# Altium PCB BLDC_DRIVER.PcbDoc (part 1 of 3) (continued)
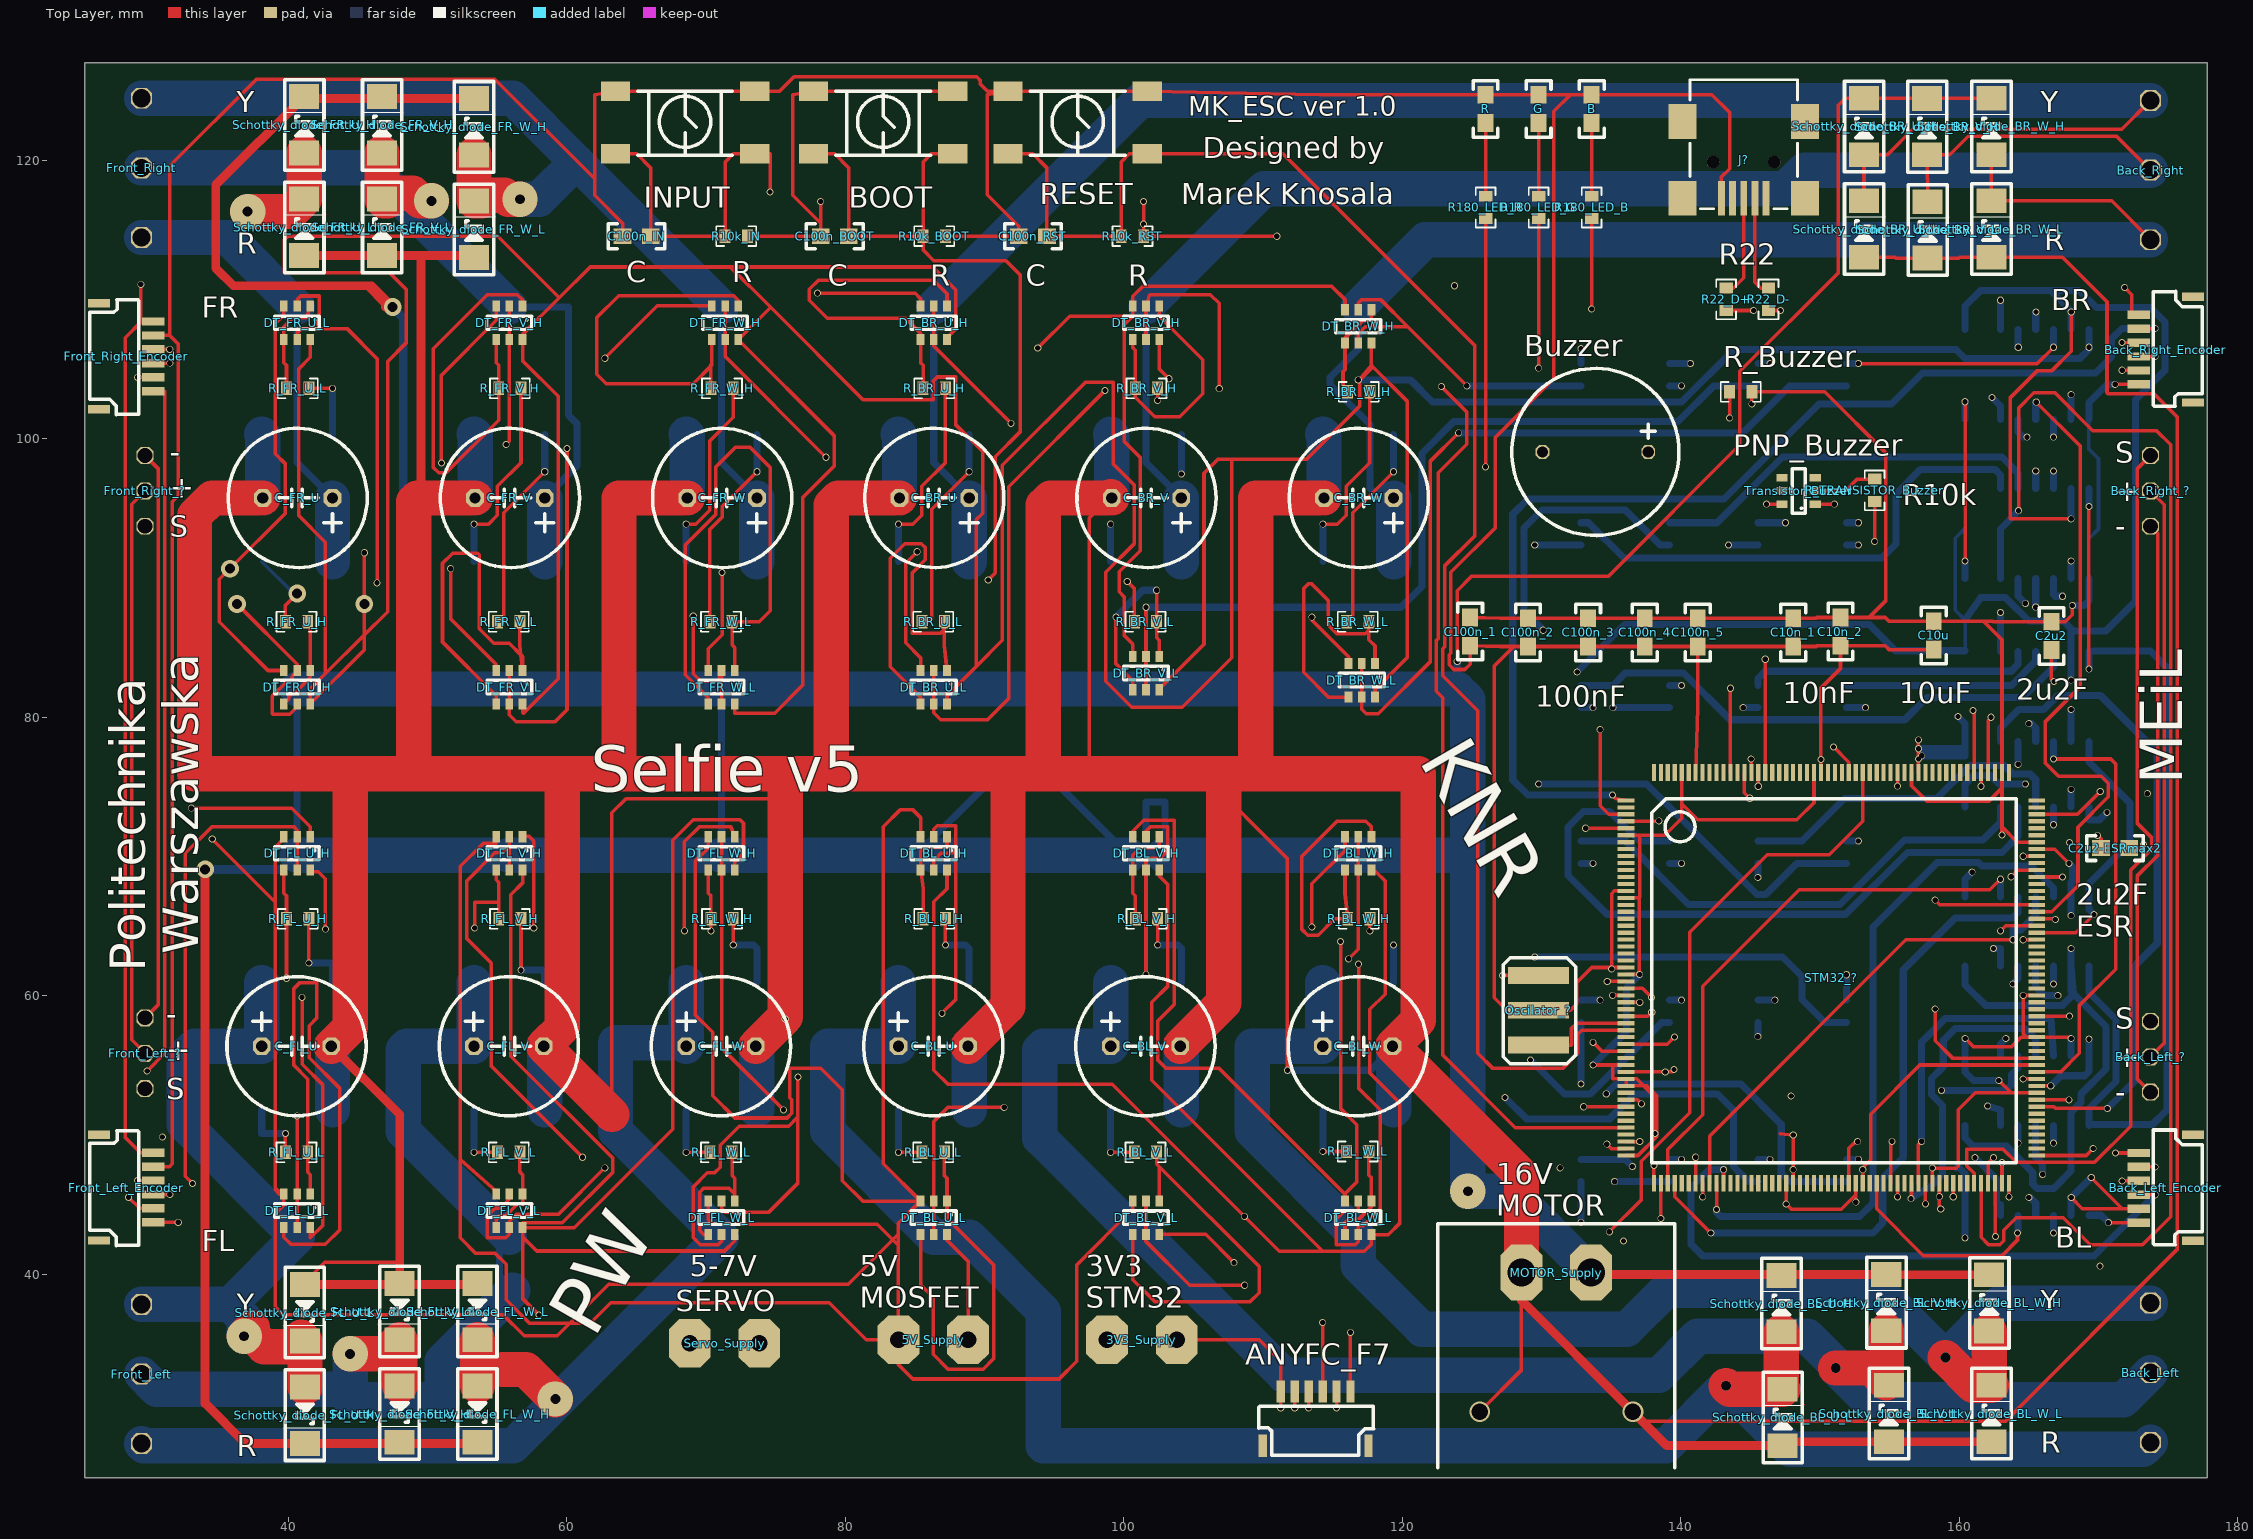
[diagram p0: Top Layer view]
## Components (designator, comment, footprint, x,y, rotation, side; value= is the part's Value field where it differs from the comment) (continued)
R_DT_BL_V_L "Res" R0603 145.542,71.12 r270 bottom
R_DT_BL_W_H "Res" R0603 132.842,71.12 r270 bottom
R_DT_BL_W_L "Res" R0603 151.892,71.12 r270 bottom
R_DT_BR_U_H "Res" R0603 145.542,93.98 r270 bottom
R_DT_BR_U_L "Res" R0603 139.192,105.41 r270 bottom
R_DT_BR_V_H "Res" R0603 151.892,93.98 r270 bottom
R_DT_BR_V_L "Res" R0603 145.542,105.41 r270 bottom
R_DT_BR_W_H "Res" R0603 132.842,105.41 r270 bottom
R_DT_BR_W_L "Res" R0603 151.892,105.41 r270 bottom
R_DT_FL_U_H "Res" R0603 132.842,48.26 r270 bottom
R_DT_FL_U_L "Res" R0603 151.892,48.26 r270 bottom
R_DT_FL_V_H "Res" R0603 139.192,48.26 r270 bottom
R_DT_FL_V_L "Res" R0603 132.842,59.69 r270 bottom
R_DT_FL_W_H "Res" R0603 145.542,48.26 r270 bottom
R_DT_FL_W_L "Res" R0603 139.192,59.69 r270 bottom
R_DT_FR_U_H "Res" R0603 139.192,82.296 r270 bottom
R_DT_FR_U_L "Res" R0603 132.842,82.296 r270 bottom
R_DT_FR_V_H "Res" R0603 145.542,82.296 r270 bottom
R_DT_FR_V_L "Res" R0603 132.842,93.98 r270 bottom
R_DT_FR_W_H "Res" R0603 151.892,82.296 r270 bottom
R_DT_FR_W_L "Res" R0603 139.192,93.98 r270 bottom
R_FL_U_H "Res" R0603 39.878,65.532 r0 top
R_FL_U_L "Res" R0603 41.402,48.768 r180 top
R_FL_V_H "Res" R0603 55.118,65.532 r0 top
R_FL_V_L "Res" R0603 56.642,48.768 r180 top
R_FL_W_H "Res" R0603 70.358,65.532 r0 top
R_FL_W_L "Res" R0603 71.882,48.768 r180 top
R_FR_U_H "Res" R0603 41.402,86.868 r180 top
R_FR_U_L "Res" R0603 39.878,103.632 r0 top
R_FR_V_H "Res" R0603 55.118,103.632 r0 top
R_FR_V_L "Res" R0603 56.642,86.868 r180 top
R_FR_W_H "Res" R0603 70.358,103.632 r0 top
R_FR_W_L "Res" R0603 71.882,86.868 r180 top
R_TRANSISTOR_Buzzer "Res" R0603 153.924,95.504 r90 top
RESET "Tact_Switch" "LSH Gullwing" 91.694,124.968 r180 top
Schottky_diode_BL_U_H "Schottky_diode" DO-214AC 147.228,39.927 r90 top
Schottky_diode_BL_U_L "Schottky_diode" DO-214AC 147.32,31.75 r90 top
Schottky_diode_BL_V_H "Schottky_diode" DO-214AC 154.76,39.996 r90 top
Schottky_diode_BL_V_L "Schottky_diode" DO-214AC 154.945,32.033 r90 top
Schottky_diode_BL_W_H "Schottky_diode" DO-214AC 162.151,39.976 r90 top
Schottky_diode_BL_W_L "Schottky_diode" DO-214AC 162.311,32.033 r90 top
Schottky_diode_BR_U_H "Schottky_diode" DO-214AC 153.162,124.46 r90 top
Schottky_diode_BR_U_L "Schottky_diode" DO-214AC 153.162,117.094 r90 top
Schottky_diode_BR_V_H "Schottky_diode" DO-214AC 157.688,124.447 r90 top
Schottky_diode_BR_V_L "Schottky_diode" DO-214AC 157.734,117.035 r90 top
Schottky_diode_BR_W_H "Schottky_diode" DO-214AC 162.306,124.46 r90 top
Schottky_diode_BR_W_L "Schottky_diode" DO-214AC 162.306,117.094 r90 top
Schottky_diode_FL_U_H "Schottky_diode" DO-214AC 41.202,27.853 r270 top
Schottky_diode_FL_U_L "Schottky_diode" DO-214AC 41.202,35.219 r270 top
Schottky_diode_FL_V_H "Schottky_diode" DO-214AC 48.006,27.94 r270 top
Schottky_diode_FL_V_L "Schottky_diode" DO-214AC 48.006,35.306 r270 top
Schottky_diode_FL_W_H "Schottky_diode" DO-214AC 53.594,27.94 r270 top
Schottky_diode_FL_W_L "Schottky_diode" DO-214AC 53.594,35.306 r270 top
Schottky_diode_FR_U_H "Schottky_diode" DO-214AC 41.148,124.587 r90 top
Schottky_diode_FR_U_L "Schottky_diode" DO-214AC 41.148,117.221 r90 top
Schottky_diode_FR_V_H "Schottky_diode" DO-214AC 46.736,124.587 r90 top
Schottky_diode_FR_V_L "Schottky_diode" DO-214AC 46.736,117.221 r90 top
Schottky_diode_FR_W_H "Schottky_diode" DO-214AC 53.34,124.446 r90 top
Schottky_diode_FR_W_L "Schottky_diode" DO-214AC 53.34,117.08 r90 top
Servo_Supply "2-pin" 2-pin-zielony-kat 68.834,35.052 r0 top
STM32_? "STM32F769BGT6-SELFIE" LQFP208 137.922,75.438 r0 top
TO1 "HCPL-090J" SOIC-16 169.418,44.704 r180 bottom
TO2 "HCPL-090J" SOIC-16 169.418,56.134 r180 bottom
TO3 "HCPL-090J" SOIC-16 169.418,67.564 r180 bottom
TO4 "HCPL-090J" SOIC-16 169.418,78.74 r180 bottom
TO5 "HCPL-090J" SOIC-16 169.418,90.424 r180 bottom
TO6 "HCPL-090J" SOIC-16 169.418,101.854 r180 bottom
Transistor_Buzzer "PBSS4160DPN.115" SOT457 146.812,96.266 r90 top

## Footprints (in the part's own frame and the unit in brackets; to place one, negate y for a bottom-side part, rotate by r counter-clockwise, add the part's x,y. Pads: shape width x height; smd on the part's side, far side on the other; paste and mask are expansions set on the pad)
2-pin-zielony-kat [mm]
  oct 3x3.5 hole 1.2: 1(0,0) 2(5,0)
  body extent -3.5,-10.1 8.5,1.9, height 8.75
5mm [mil]
  oct 50x50 hole 32: 1(0,0) 2(196.85,0)
  silkscreen extent -98,-197 295,197, body extent -98,-197 295,197, height 787
0603 [mil]
  rect 50x45 smd: 1(0,0) 2(80,0)
  silkscreen extent -40,-35 120,35, body extent 9,-17 72,17, height 33
65100516121 [mm] "Mini USB 2.0 Type B SMT Horizontal 5 Contacts"
  rect 0.5x2.5 smd: 1(-1.6,3.875) 2(-0.8,3.875) 3(0,3.875) 4(0.8,3.875) 5(1.6,3.875)
  round 0.9 hole 0.9 unplated: MH1(-2.2,1.275) MH2(2.2,1.275)
  rect 2x2.5 smd: Shell(-4.4,3.875) Shell(-4.4,-1.625) Shell(4.4,3.875) Shell(4.4,-1.625)
  silkscreen extent -3.85,-4.62 3.85,4.62, body extent -4.8,-4.62 4.8,4.63, height 3.92
Buzzer_LOUDITY [mm]
  oct 1x1 hole 0.8: 1(-7.6,0) 2(0,0)
  silkscreen extent -9.8,-6 2.2,6, body extent -9.8,-6 5.65,6, height 9.65
CSTCC8M00G53-R0 [mm]
  rect 1.2x4.4 smd: 1(0,0) 2(2.5,0) 3(5,0)
  silkscreen extent -1.27,-2.54 6.35,2.67, body extent -1.06,-1.52 6.14,1.48, height 1.25
DG300-5.0-03P-12-00A [mm]
  oct 1.5x1.5 hole 1.3: 1(0,0) 2(5,0) 3(10,0)
  body extent -2.5,-4 12.5,5, height 12.6
DO-214AC [mm]
  rect 1.78x2.16 smd: 1(-4.05,0) 2(0,0)
  Top Layer lines w0.051: -1.143,-1.524 -1.092,-1.575
  silkscreen extent -5.28,-1.52 1.22,1.4, body extent -4.55,-1.43 0.45,1.27, height 2.33
"JST SR SH 1.0" [mm]
  rect 0.6x1.6 smd: 1(1.3,3.9) 2(2.3,3.9) 3(3.3,3.9) 4(4.3,3.9) 5(5.3,3.9) 6(6.3,3.9) 7(7.6,0) 8(0,0)
  silkscreen extent -0.28,-0.66 7.98,2.84, body extent -0.16,-0.66 7.84,4.29, height 2.9
LQFP208 [mm]
  rect 1.2x0.3 smd: 1(-1.85,-1.4) 2(-1.85,-1.9) 3(-1.85,-2.4) 4(-1.85,-2.9) 5(-1.85,-3.4) 6(-1.85,-3.9) 7(-1.85,-4.4) 8(-1.85,-4.9) 9(-1.85,-5.4) 10(-1.85,-5.9) 11(-1.85,-6.4) 12(-1.85,-6.9) 13(-1.85,-7.4) 14(-1.85,-7.9) 15(-1.85,-8.4) 16(-1.85,-8.9) 17(-1.85,-9.4) 18(-1.85,-9.9) 19(-1.85,-10.4) 20(-1.85,-10.9) 21(-1.85,-11.4) 22(-1.85,-11.9) 23(-1.85,-12.4) 24(-1.85,-12.9) 25(-1.85,-13.4) 26(-1.85,-13.9) 27(-1.85,-14.4) 28(-1.85,-14.9) 29(-1.85,-15.4) 30(-1.85,-15.9) 31(-1.85,-16.4) 32(-1.85,-16.9) 33(-1.85,-17.4) 34(-1.85,-17.9) 35(-1.85,-18.4) 36(-1.85,-18.9) 37(-1.85,-19.4) 38(-1.85,-19.9) 39(-1.85,-20.4) 40(-1.85,-20.9) 41(-1.85,-21.4) 42(-1.85,-21.9) 43(-1.85,-22.4) 44(-1.85,-22.9) 45(-1.85,-23.4) 46(-1.85,-23.9) 47(-1.85,-24.4) 48(-1.85,-24.9) 49(-1.85,-25.4) 50(-1.85,-25.9) 51(-1.85,-26.4) 52(-1.85,-26.9) 105(27.65,-26.9) 106(27.65,-26.4) 107(27.65,-25.9) 108(27.65,-25.4) 109(27.65,-24.9) 110(27.65,-24.4) 111(27.65,-23.9) 112(27.65,-23.4) 113(27.65,-22.9) 114(27.65,-22.4) 115(27.65,-21.9) 116(27.65,-21.4) 117(27.65,-20.9) 118(27.65,-20.4) 119(27.65,-19.9) 120(27.65,-19.4) 121(27.65,-18.9) 122(27.65,-18.4) 123(27.65,-17.9) 124(27.65,-17.4) 125(27.65,-16.9) 126(27.65,-16.4) 127(27.65,-15.9) 128(27.65,-15.4) 129(27.65,-14.9) 130(27.65,-14.4) 131(27.65,-13.9) 132(27.65,-13.4) 133(27.65,-12.9) 134(27.65,-12.4) 135(27.65,-11.9) 136(27.65,-11.4) 137(27.65,-10.9) 138(27.65,-10.4) 139(27.65,-9.9) 140(27.65,-9.4) 141(27.65,-8.9) 142(27.65,-8.4) 143(27.65,-7.9) 144(27.65,-7.4) 145(27.65,-6.9) 146(27.65,-6.4) 147(27.65,-5.9) 148(27.65,-5.4) 149(27.65,-4.9) 150(27.65,-4.4) 151(27.65,-3.9) 152(27.65,-3.4) 153(27.65,-2.9) 154(27.65,-2.4) 155(27.65,-1.9) 156(27.65,-1.4)
  rect 0.3x1.2 smd: 53(0.15,-28.9) 54(0.65,-28.9) 55(1.15,-28.9) 56(1.65,-28.9) 57(2.15,-28.9) 58(2.65,-28.9) 59(3.15,-28.9) 60(3.65,-28.9) 61(4.15,-28.9) 62(4.65,-28.9) 63(5.15,-28.9) 64(5.65,-28.9) 65(6.15,-28.9) 66(6.65,-28.9) 67(7.15,-28.9) 68(7.65,-28.9) 69(8.15,-28.9) 70(8.65,-28.9) 71(9.15,-28.9) 72(9.65,-28.9) 73(10.15,-28.9) 74(10.65,-28.9) 75(11.15,-28.9) 76(11.65,-28.9) 77(12.15,-28.9) 78(12.65,-28.9) 79(13.15,-28.9) 80(13.65,-28.9) 81(14.15,-28.9) 82(14.65,-28.9) 83(15.15,-28.9) 84(15.65,-28.9) 85(16.15,-28.9) 86(16.65,-28.9) 87(17.15,-28.9) 88(17.65,-28.9) 89(18.15,-28.9) 90(18.65,-28.9) 91(19.15,-28.9) 92(19.65,-28.9) 93(20.15,-28.9) 94(20.65,-28.9) 95(21.15,-28.9) 96(21.65,-28.9) 97(22.15,-28.9) 98(22.65,-28.9) 99(23.15,-28.9) 100(23.65,-28.9) 101(24.15,-28.9) 102(24.65,-28.9) 103(25.15,-28.9) 104(25.65,-28.9) 157(25.65,0.6) 158(25.15,0.6) 159(24.65,0.6) 160(24.15,0.6) 161(23.65,0.6) 162(23.15,0.6) 163(22.65,0.6) 164(22.15,0.6) 165(21.65,0.6) 166(21.15,0.6) 167(20.65,0.6) 168(20.15,0.6) 169(19.65,0.6) 170(19.15,0.6) 171(18.65,0.6) 172(18.15,0.6) 173(17.65,0.6) 174(17.15,0.6) 175(16.65,0.6) 176(16.15,0.6) 177(15.65,0.6) 178(15.15,0.6) 179(14.65,0.6) 180(14.15,0.6) 181(13.65,0.6) 182(13.15,0.6) 183(12.65,0.6) 184(12.15,0.6) 185(11.65,0.6) 186(11.15,0.6) 187(10.65,0.6) 188(10.15,0.6) 189(9.65,0.6) 190(9.15,0.6) 191(8.65,0.6) 192(8.15,0.6) 193(7.65,0.6) 194(7.15,0.6) 195(6.65,0.6) 196(6.15,0.6) 197(5.65,0.6) 198(5.15,0.6) 199(4.65,0.6) 200(4.15,0.6) 201(3.65,0.6) 202(3.15,0.6) 203(2.65,0.6) 204(2.15,0.6) 205(1.65,0.6) 206(1.15,0.6) 207(0.65,0.6) 208(0.15,0.6)
  silkscreen extent 0,-27.43 26.16,-1.27, body extent -1.84,-28.92 27.66,0.58, height 1.39
"LSH Gullwing" [mm]
  rect 2.1x1.4 smd: 1(-10,4.5) 2(0,4.5) 3(-10,0) 4(0,0)
  silkscreen extent -8.4,0 -1.6,4.6, body extent -10,-0.75 0,5.25, height 4.97
R0603 [mil]
  rect 31x38 smd: 1(0,0) 2(63,0)
  silkscreen extent -25,-28 88,28, body extent -1,-17 62,17, height 19
Raster_2.54_corner_3pin [mm]
  oct 1.22x1.22 hole 1.05: 1(0,0) 2(2.54,0) 3(5.08,0)
  body extent -1.27,-10.84 6.35,0.27, height 3.79
SOIC-16 [mm]
  rect 0.72x1.78 smd: 1(0.11,-0.46) 2(1.38,-0.46) 3(2.65,-0.46) 4(3.92,-0.46) 5(5.19,-0.46) 6(6.46,-0.46) 7(7.73,-0.46) 8(9,-0.46) 9(9,6) 10(7.73,6) 11(6.46,6) 12(5.19,6) 13(3.92,6) 14(2.65,6) 15(1.38,6) 16(0.11,6)
  silkscreen extent -0.53,0.79 9.63,4.73, body extent -0.5,-0.3 9.7,5.7, height 1.7
SOT457 [mm]
  rect 0.55x0.8 smd: 1(-0.95,-2.85) 2(0,-2.85) 3(0.95,-2.85) 4(0.95,-0.45) 5(0,-0.45) 6(-0.95,-0.45)
  silkscreen extent -1.6,-2.13 1.6,-1.18, body extent -1.45,-3.05 1.45,-0.25, height 1.23
TO-263 [mm]
  rect 10.8x9.4 smd: D(-2.54,9.15)
  rect 1.35x4.6 smd: G(-5.08,0) S(0,0)
  silkscreen extent -8.89,-3.05 3.81,14.48, body extent -7.54,-1.94 2.46,13.73, height 4.83
XT30-katowy-in [mm]
  oct 3x4 hole 2: 1(2.5,0) 2(-2.5,0)
  silkscreen extent -8.5,-3.5 8.5,14, body extent -6.65,-0.91 6.65,14.1, height 5.2

## Part data
J?: "Mini USB 2.0 Type B Receptacle WR-COM, Horizontal, SMT, with Pads and Pegs"

## Via types
v1: diameter 0.508, hole 0.381, Top Layer to Bottom Layer, 316 vias
v2: diameter 2.54, hole 0.711, Top Layer to Bottom Layer, 7 vias
v3: diameter 1.27, hole 0.711, Top Layer to Bottom Layer, 6 vias
v4: diameter 0.711, hole 0.711, Top Layer to Bottom Layer, 3 vias
v5: diameter 1.5, hole 1.2, Top Layer to Bottom Layer, 2 vias

## Nets (pads, with @x,y where several pads share a name; then routed paths per layer and width w, separated by ;. In a path a pad name is that pad's centre, name@x,y a point inside that pad or via, vN(x,y) a via of type N, cw(c..) or ccw(c..) an arc to the next point about the centre after c; other vN are vias at no path point)
3V3: 3V3_Supply.2 ANYFC_F7.1 Back_Left_Encoder.1 Back_Right_Encoder.1 BOOT.3 BOOT.4 C2u2.2 C10n_1.2 C10n_2.2 C10u.2 C100n_1.2 C100n_2.2 C100n_3.2 C100n_4.2 C100n_5.2 C100n_BOOT.2 Front_Left_Encoder.1 Front_Right_Encoder.1 R10k_IN.2 R10k_RST.2 R_Buzzer.2 STM32_?.6 STM32_?.15 STM32_?.26 STM32_?.39 STM32_?.41 STM32_?.42 STM32_?.52 STM32_?.59 STM32_?.73 STM32_?.83 STM32_?.94 STM32_?.103 STM32_?.115 STM32_?.118 STM32_?.137 STM32_?.150 STM32_?.158 STM32_?.171 STM32_?.185 STM32_?.204 TO1.1 TO2.1 TO3.1 TO4.1 TO5.1 TO6.1 | length 620.3
  Top Layer w0.254: v1(29.418,111.1) 29.418,108.428 29.464,108.428 ; Front_Left_Encoder.1@30.316,48.738 29.388,48.738 28.296,49.83 28.296,107.26 29.464,108.428 ; Front_Right_Encoder.1@30.316,108.428 29.464,108.428 ; R10k_IN.2@72.974,114.554 C100n_BOOT.2@78.232,114.554 78.232,115.494 ; v1(78.232,117.043) 78.232,115.494 ; BOOT.3@87.724,124.968 BOOT.4@77.724,124.968 76.225,124.714 76.225,117.5 78.232,115.494 ; v1(101.422,117.043) v1(101.422,115.418) R10k_RST.2@101.422,114.554 v1(110.998,114.554) ; 3V3_Supply.2@103.806,35.306 109.728,35.306 111.282,33.752 ANYFC_F7.1@111.282,31.586 111.282,30.408 v1(111.277,30.404) ; C100n_1.2@124.875,87.174 127.027,87.122 C100n_2.2@129.032,87.122 C100n_3.2@133.35,87.122 C100n_4.2@137.414,87.122 C100n_5.2@141.224,87.122 C10n_1.2@148.082,87.122 149.733,87.122 149.785,87.174 C10n_2.2@151.473,87.174 153.519,87.174 ; v1(133.709,55.042) 133.713,55.038 135.128,55.038 ; STM32_?.52@136.072,48.538 136.93,48.538 138.278,49.886 138.278,52.832 137.572,53.538 137.33,53.538 ; STM32_?.39@136.072,55.038 135.128,55.038 ; STM32_?.26@136.072,61.538 v1@137.008,61.538 ; STM32_?.15@136.072,67.038 137.008,67.038 ; STM32_?.6@136.072,71.538 137.045,71.538 ; v1(137.053,61.538) v1@137.008,61.538 ; v1(138.151,50.114) 138.151,52.717 137.33,53.538 ; STM32_?.204@140.072,76.038 140.072,73.796 ; STM32_?.59@141.072,46.538 v1(141.072,48.413) ; v1(145.11,102.514) R_Buzzer.2@145.11,103.378 150.343,103.378 154.737,98.984 154.737,88.392 153.519,87.174 ; 147.162,50.114 v1@148.072,50.003 ; STM32_?.73@148.072,46.538 v1(148.072,47.519) v1@148.072,50.003 ; v1(148.082,50.013) v1@148.072,50.003 ; STM32_?.185@149.572,76.038 149.572,73.88 148.336,72.644 141.224,72.644 140.072,73.796 ; STM32_?.83@153.072,46.538 v1(153.072,47.519) 153.072,47.65 153.645,48.223 153.645,51.511 157.171,55.038 STM32_?.118@165.572,55.038 ; STM32_?.171@156.572,76.038 156.572,75.097 157.705,73.965 162.103,73.965 163.072,74.934 ; STM32_?.94@158.572,46.538 v1(158.572,45.58) 158.572,44.791 v1(158.674,44.689) ; STM32_?.103@163.072,46.538 v1(163.072,48.027) ; v1(163.072,71.552) 163.072,72.136 ; STM32_?.115@165.572,53.538 v1(166.573,53.538) ; STM32_?.137@165.572,64.538 168.373,64.538 v1(169.672,65.837) ; STM32_?.150@165.572,71.038 164.17,71.038 163.072,72.136 ; v1(168.123,88.036) 168.123,87.376 167.615,86.868 C2u2.2@166.624,86.868 162.444,86.868 162.408,86.904 161.743,86.904 ; v1(170.709,43.718) Back_Left_Encoder.1@172.884,43.718 ; v1(171.196,103.916) Back_Right_Encoder.1@172.884,103.916 ; 135.128,55.038 135.128,54.038 STM32_?.41@136.072,54.038 ; STM32_?.41@136.072,54.038 136.83,54.038 137.33,53.538 ; STM32_?.41@136.072,54.038 STM32_?.42@136.072,53.538 137.33,53.538 ; v1@137.008,61.538 137.008,67.038 ; 137.008,67.038 137.045,67.075 137.045,71.538 ; 137.045,71.538 138.86,71.538 140.072,72.75 140.072,73.796 ; 153.519,87.174 154.686,87.174 154.956,86.904 C10u.2@158.171,86.904 161.743,86.904 ; 161.743,86.904 163.072,85.575 STM32_?.158@163.072,76.038 163.072,74.934 ; 163.072,72.136 163.072,74.934
  Signal Layer 1 w0.305: v1(29.418,111.1) 97.104,111.1 v1(101.422,115.418) ; v1(78.232,117.043) v1(101.422,117.043) ; v1(110.998,114.554) 121.133,104.419 140.386,104.419 142.291,102.514 v1(145.11,102.514) ; v1(138.151,50.114) 147.162,50.114 ; v1(141.072,48.413) 145.461,48.413 147.162,50.114 ; v1(148.072,47.519) v1(153.072,47.519) 154.368,48.815 158.145,48.815 158.699,48.26 158.699,45.707 v1(158.572,45.58) ; v1(148.082,50.013) 147.98,50.114 147.162,50.114 ; v1(158.674,44.689) 159.735,44.689 v1(163.072,48.027) 166.4,48.027 v1(170.709,43.718)
  Signal Layer 2 w0.254: 168.148,62.179 169.316,63.348 169.672,63.703 v1(169.672,65.837)
  Signal Layer 2 w0.305: v1(111.277,30.404) 113.538,28.143 128.696,28.143 v1(148.072,47.519) ; v1(163.072,71.552) 164.592,71.552 165.202,70.942 165.202,63.602 166.624,62.179 168.148,62.179 ; v1(169.672,65.837) 169.316,65.481 169.316,63.348 v1(169.316,56.896) 171.831,54.381 171.831,47.879 170.709,46.757 v1(170.709,43.718)
  Bottom Layer w0.254: TO5.1@169.308,89.964 169.308,92.837 170.002,93.531 170.002,98.577 169.308,99.272 TO6.1@169.308,101.394
  Bottom Layer w0.508: v1(133.709,55.042) 136.093,57.426 136.093,60.578 v1(137.053,61.538) ; v1(166.573,53.538) 167.3,54.265 168.999,54.265 169.308,54.574 TO2.1@169.308,55.674 169.308,56.888 v1(169.316,56.896) ; v1(168.123,88.036) 168.952,88.036 169.308,88.392 TO5.1@169.308,89.964 ; TO1.1@169.308,44.244 169.308,44.247 170.18,44.247 v1(170.709,43.718) ; TO4.1@169.308,78.28 169.308,76.793 172.263,73.838 172.263,71.027 169.308,68.072 TO3.1@169.308,67.104 169.308,66.201 v1(169.672,65.837) ; TO6.1@169.308,101.394 169.308,102.616 170.608,103.916 v1(171.196,103.916)
GND_3V3: 3V3_Supply.1 ANYFC_F7.2 B.2 Back_Left_Encoder.2 Back_Right_Encoder.2 C2u2.1 C10n_1.1 C10n_2.1 C10u.1 C100n_1.1 C100n_2.1 C100n_3.1 C100n_4.1 C100n_5.1 C100n_IN.2 C100n_RST.2 Front_Left_Encoder.2 Front_Right_Encoder.2 G.2 INPUT.3 INPUT.4 J?.5 Oscilator_?.2 R10k_BOOT.2 R.2 RESET.3 RESET.4 STM32_?.14 STM32_?.25 STM32_?.40 STM32_?.51 STM32_?.60 STM32_?.72 STM32_?.82 STM32_?.93 STM32_?.114 STM32_?.122 STM32_?.128 STM32_?.136 STM32_?.149 STM32_?.170 STM32_?.184 STM32_?.202 TO1.2 TO1.8 TO2.2 TO2.8 TO3.2 TO3.8 TO4.2 TO4.8 TO5.2 TO5.8 TO6.2 TO6.8 Transistor_Buzzer.1 | length 729.9
  Top Layer w0.254: Front_Left_Encoder.2@30.316,47.738 31.471,47.738 31.674,47.941 31.674,95.479 32.106,95.91 32.106,106.818 31.496,107.428 ; Front_Right_Encoder.2@30.316,107.428 31.496,107.428 ; C100n_IN.2@64.008,114.554 64.008,115.494 62.001,117.5 62.001,118.669 ; R10k_BOOT.2@87.198,114.554 C100n_RST.2@92.456,114.554 92.456,115.265 90.195,117.526 90.195,124.714 RESET.4@91.694,124.968 ; v1(112.282,30.405) ANYFC_F7.2@112.282,31.586 ; v1(134.697,49.352) 135.011,49.038 STM32_?.51@136.072,49.038 ; STM32_?.40@136.072,54.538 v1(138.887,54.538) 139.349,54.538 v1(139.522,54.712) ; STM32_?.25@136.072,62.038 v1@135.139,62.038 ; STM32_?.14@136.072,67.538 135.23,67.538 135.039,67.347 v1@135.039,62.038 ; STM32_?.202@141.072,76.038 141.224,80.721 C100n_5.1@141.224,85.09 ; v1(141.572,45.568) STM32_?.60@141.572,46.538 ; J?.5@142.926,117.283 142.926,118.82 143.51,119.405 143.51,123.444 142.24,124.714 B.2@133.604,124.714 132.08,124.714 ; STM32_?.72@147.572,46.538 v1(147.572,45.06) 147.953,44.679 151.531,44.679 152.572,45.72 ; Transistor_Buzzer.1@149.662,95.316 v1(151.028,95.316) ; STM32_?.184@150.072,76.038 v1(150.072,76.971) 150.072,82.114 151.473,83.515 C10n_2.1@151.473,85.142 ; STM32_?.82@152.572,46.538 152.572,45.72 ; v1(152.578,45.187) 152.572,45.192 152.572,45.72 ; STM32_?.170@157.072,76.038 v1@157.072,77.011 ; v1(157.074,78.384) 157.072,78.383 157.072,77.749 157.072,77.241 157.072,77.013 v1@157.072,77.011 ; v1(157.302,77.241) v1(157.074,77.013) v1@157.072,77.011 ; STM32_?.93@158.072,46.538 v1(158.072,47.634) 159.792,47.634 ; C10u.1@158.171,84.872 154.956,84.872 154.686,85.142 C10n_2.1@151.473,85.142 ; 159.918,47.76 159.918,51.816 161.14,53.038 163.728,53.038 ; v1(160.418,91.235) v1(160.418,102.665) ; v1(160.426,56.947) 161.011,56.363 163.764,56.363 164.44,57.038 164.846,57.038 ; v1(162.842,53.924) 163.728,53.038 ; v1(164.591,64.038) v1@164.597,64.038 ; v1(164.592,60.038) 164.846,60.038 ; v1(164.592,64.033) v1@164.597,64.038 ; STM32_?.114@165.572,53.038 163.728,53.038 ; STM32_?.128@165.572,60.038 164.846,60.038 ; STM32_?.136@165.572,64.038 v1@164.597,64.038 ; STM32_?.149@165.572,70.538 166.859,70.538 v1(167.877,69.52) ; C2u2.1@166.624,84.836 166.624,82.753 v1(166.802,82.575) ; v1(168.038,56.947) 167.947,57.038 STM32_?.122@165.572,57.038 164.846,57.038 ; v1(168.046,45.517) 168.845,44.718 171.715,44.718 ; v1(169.481,46.952) 171.715,44.718 ; v1(171.704,104.927) 171.715,104.916 Back_Right_Encoder.2@172.884,104.916 ; Back_Left_Encoder.2@172.884,44.718 171.715,44.718 ; 31.496,107.428 31.496,119.609 37.719,125.832 54.839,125.832 62.001,118.669 ; 62.001,118.669 62.001,124.714 INPUT.4@63.5,124.968 INPUT.3@73.5,124.968 75.286,124.968 76.327,126.009 89.433,126.009 89.713,125.73 89.713,125.476 90.221,124.968 RESET.4@91.694,124.968 ; RESET.4@91.694,124.968 RESET.3@101.694,124.968 114.097,124.714 R.2@125.984,124.714 G.2@129.794,124.714 132.08,124.714 ; 128.016,85.09 127.027,85.09 C100n_1.1@124.875,85.142 124.875,83.82 124.494,83.439 123.698,83.439 123.368,83.769 123.368,84.48 123.495,84.607 123.495,90.411 126.695,93.612 126.695,100.127 130.886,104.318 130.886,123.52 132.08,124.714 ; 128.016,85.09 126.619,83.693 126.619,59.857 127.508,58.968 Oscilator_?.2@129.794,58.968 132.08,58.968 132.537,59.425 132.537,60.96 133.615,62.038 v1@135.039,62.038 ; 128.016,85.09 C100n_2.1@129.032,85.09 C100n_3.1@133.35,85.09 C100n_4.1@137.414,85.09 C100n_5.1@141.224,85.09 ; v1@135.039,62.038 v1@135.139,62.038 ; v1@135.039,62.038 v1(135.039,61.938) v1@135.139,62.038 ; C100n_5.1@141.224,85.09 C10n_1.1@148.082,85.09 149.733,85.09 149.785,85.142 C10n_2.1@151.473,85.142 ; 164.846,57.038 164.592,57.292 164.592,59.784 164.846,60.038
  Signal Layer 1 w0.305: 3V3_Supply.1@98.806,35.306 98.806,33.528 99.314,33.02 ; v1(112.282,30.405) 110.175,32.512 99.822,32.512 99.314,33.02 ; v1(134.697,49.352) 135.129,48.92 138.219,48.92 v1(141.572,45.568) 147.064,45.568 v1(147.572,45.06) ; v1(139.522,54.712) 140.335,55.524 159.004,55.524 v1(160.426,56.947) ; v1(150.072,76.971) 157.032,76.971 v1(157.074,77.013) ; v1(152.578,45.187) 155.025,47.634 v1(158.072,47.634) ; v1(157.074,78.384) 161.265,82.575 v1(166.802,82.575) ; v1(159.918,80.061) 160.579,79.4 163.728,79.4 164.897,80.569 v1(168.038,80.569) ; v1(160.926,68.883) 165.141,64.668 166.954,64.668 v1@168.038,65.752 ; v1(164.591,64.038) 166.933,64.038 168.038,65.143 v1@168.038,65.752 ; v1(168.038,65.761) v1@168.038,65.752 ; v1(168.038,103.173) 169.792,104.927 v1(171.704,104.927) ; v1(168.046,45.517) 166.954,44.425 164.668,44.425 163.576,43.332 161.129,43.332 v1(160.418,42.621) 148.768,42.621 147.803,43.586 141.834,43.586 140.792,44.628 138.176,44.628 137.287,43.739 137.287,34.163 136.144,33.02 99.314,33.02
  Signal Layer 2 w0.305: v1(135.039,61.938) 136.068,60.909 138.176,60.909 139.141,59.944 139.141,57.887 138.887,57.633 v1(138.887,54.538) ; v1(151.028,95.316) 151.028,94.488 152.146,93.37 154.178,93.37 157.074,90.475 157.074,87.891 ; v1(157.074,77.749) v1(157.074,78.384) 157.074,87.891 ; v1(160.418,91.235) 157.074,87.891 ; v1(160.418,102.665) 162.172,104.419 166.792,104.419 v1(168.038,103.173) ; v1(164.592,60.038) v1(164.592,64.033) ; v1(166.802,82.575) 166.802,89.999 v1(168.038,91.235)
  Bottom Layer w0.508: v1(157.074,77.749) TO4.8@160.418,77.749 ; v1(157.302,77.241) 160.418,77.241 TO4.8@160.418,77.749 ; 159.792,47.634 159.91,47.752 ; 159.918,47.76 159.91,47.752 ; v1(159.918,80.061) 160.418,79.561 TO4.8@160.418,78.28 TO4.8@160.418,77.749 ; v1(160.418,42.621) TO1.8@160.418,44.244 160.418,47.244 159.91,47.752 ; TO3.8@160.418,67.104 160.418,68.375 v1(160.926,68.883) ; TO5.8@160.418,89.964 v1(160.418,91.235) ; TO6.8@160.418,101.394 v1(160.418,102.665) ; v1(160.426,56.947) 160.418,56.938 TO2.8@160.418,55.674 160.418,54.542 161.036,53.924 v1(162.842,53.924) ; v1(167.877,69.52) 168.148,69.249 168.148,68.233 168.038,68.123 TO3.2@168.038,67.104 v1(168.038,65.761) ; TO1.2@168.038,44.244 168.038,45.508 v1(168.046,45.517) v1(169.481,46.952) ; TO2.2@168.038,55.674 v1(168.038,56.947) ; TO4.2@168.038,78.28 v1(168.038,80.569) ; TO5.2@168.038,89.964 v1(168.038,91.235) ; TO6.2@168.038,101.394 v1(168.038,103.173)
GND_5V: 5V_Supply.1 DT_BL_U_H.3 DT_BL_U_L.3 DT_BL_V_H.3 DT_BL_V_L.3 DT_BL_W_H.3 DT_BL_W_L.3 DT_BR_U_H.3 DT_BR_U_L.3 DT_BR_V_H.3 DT_BR_V_L.3 DT_BR_W_H.3 DT_BR_W_L.3 DT_FL_U_H.3 DT_FL_U_L.3 DT_FL_V_H.3 DT_FL_V_L.3 DT_FL_W_H.3 DT_FL_W_L.3 DT_FR_U_H.3 DT_FR_U_L.3 DT_FR_V_H.3 DT_FR_V_L.3 DT_FR_W_H.3 DT_FR_W_L.3 TO1.9 TO1.15 TO2.9 TO2.15 TO3.9 TO3.15 TO4.9 TO4.15 TO5.9 TO5.15 TO6.9 TO6.15 | length 1029
  Top Layer w0.254: v1(34.544,71.272) 34.544,71.247 39.065,66.726 ; DT_FL_U_H.3@39.69,71.43 39.69,71.298 39.065,70.673 39.065,66.726 ; DT_FR_U_H.3@39.69,83.368 38.552,83.368 35.052,86.868 35.052,89.916 v3(35.814,90.678) 39.802,94.666 39.802,98.196 39.065,98.933 39.065,108.265 39.69,108.89 DT_FR_U_L.3@39.69,109.53 ; v1(51.003,98.273) 51.003,104.582 54.93,108.509 DT_FR_V_H.3@54.93,109.53 ; v1(51.664,90.678) 51.664,87.061 54.93,83.795 DT_FR_V_L.3@54.93,83.368 ; DT_FL_V_L.3@54.93,45.776 54.93,45.974 52.349,48.26 ; DT_FL_V_H.3@54.93,71.43 54.93,70.947 53.999,70.947 52.349,69.298 52.349,48.26 ; v1(62.738,105.791) 66.497,109.55 70.424,109.55 DT_FR_W_H.3@70.424,109.53 ; DT_FL_W_L.3@70.17,45.268 70.17,43.942 70.5,43.612 82.296,43.612 83.421,42.487 ; DT_FL_W_H.3@70.17,71.43 70.17,70.612 69.24,69.682 69.24,58.623 70.485,57.379 70.485,52.832 72.085,51.232 75.819,51.232 76.149,51.562 76.149,52.553 76.022,52.68 76.022,54.813 78.232,54.813 79.781,53.264 79.781,46.736 81.249,45.268 DT_BL_U_L.3@85.41,45.268 ; DT_FR_W_L.3@70.17,83.368 70.17,84.94 71.158,85.928 v1(71.158,90.411) ; v1(78.003,110.465) 85.019,110.465 85.41,110.073 DT_BR_U_H.3@85.41,109.53 ; v1(85.166,91.897) 84.341,91.072 84.341,85.351 85.41,84.281 DT_BR_U_L.3@85.41,83.368 ; DT_BL_U_H.3@85.41,71.43 85.41,72.807 84.836,73.381 83.972,73.381 82.728,72.136 82.728,47.95 DT_BL_U_L.3@85.41,45.268 ; v1(93.828,106.528) 96.114,108.814 100.65,108.814 ; DT_BL_V_L.3@100.65,45.268 100.65,44.704 96.622,40.676 96.622,33.757 95.352,32.487 84.861,32.487 83.82,33.528 5V_Supply.1@83.82,35.306 ; DT_BL_V_H.3@100.65,71.43 100.65,71.831 101.436,72.617 103.612,72.617 103.632,72.598 103.632,59.385 102.46,58.213 102.46,55.372 103.044,54.788 106.858,54.788 115.875,45.771 ; DT_BR_V_L.3@100.65,84.384 100.65,85.266 100.025,85.89 100.025,88.671 99.67,89.027 99.67,90.449 101.197,91.977 101.197,98.664 100.025,99.836 100.025,108.189 100.65,108.814 ; v1(113.513,64.948) 113.513,68.057 115.89,70.434 DT_BL_W_H.3@115.89,71.43 ; v1(113.513,87.198) 113.513,86.995 116.144,84.364 DT_BR_W_L.3@116.144,83.876 ; v1(115.57,63.911) 115.57,51.918 116.738,50.749 116.738,46.634 115.875,45.771 ; DT_BR_W_H.3@115.89,109.276 115.89,110.007 114.925,110.973 101.387,110.973 100.65,110.236 DT_BR_V_H.3@100.65,109.53 100.65,108.814 ; v1(168.038,94.259) 163.678,94.259 163.678,102.972 165.583,104.877 166.624,104.877 168.046,106.299 v1(168.046,109.118) ; 39.065,46.228 39.065,66.726 ; 39.065,46.228 39.065,46.076 39.37,45.771 DT_FL_U_L.3@39.69,45.771 ; 39.065,46.228 39.37,45.923 39.69,45.923 DT_FL_U_L.3@39.69,45.776 DT_FL_U_L.3@39.69,45.771 ; DT_FL_U_L.3@39.69,45.771 39.69,44.983 39.065,44.359 39.065,37.668 39.624,37.109 55.423,37.109 56.947,35.585 59.309,35.585 60.223,36.5 ; 52.349,48.26 52.349,42.621 53.467,41.504 54.864,41.504 55.651,40.716 55.651,38.176 57.328,36.5 60.223,36.5 ; 60.223,36.5 61.697,36.5 63.17,37.973 78.842,37.973 81.509,35.306 5V_Supply.1@83.82,35.306 ; 60.223,36.5 63.017,39.294 80.228,39.294 83.421,42.487 ; 83.421,42.487 83.82,42.088 ; 83.421,42.487 83.82,42.885 ; 5V_Supply.1@83.82,35.306 83.82,42.088 ; 83.82,42.088 83.82,42.885 ; 83.82,42.885 83.82,43.678 DT_BL_U_L.3@85.41,45.268 ; 115.875,45.771 115.89,45.756 DT_BL_W_L.3@115.89,45.268 115.875,45.771
  Signal Layer 1 w0.305: v1(51.003,98.273) 46.253,93.523 38.659,93.523 ; v1(62.738,105.791) 50.927,105.791 ; v1(71.158,90.411) 70.891,90.678 v1(51.664,90.678) v3(35.814,90.678) ; v1(78.003,110.465) 55.601,110.465 51.664,106.528 ; v1(93.828,106.528) 51.664,106.528 ; v1(113.513,87.198) 109.931,83.617 ; v1(132.563,83.261) 121.691,83.261 121.336,83.617 109.931,83.617 ; v1(164.744,75.209) 167.664,75.209 v1(168.038,74.835) ; v3(35.814,90.678) 38.659,93.523 ; v3(35.814,90.678) 42.875,83.617 109.931,83.617 ; 38.659,93.523 50.927,105.791 ; 50.927,105.791 51.664,106.528
  Signal Layer 2 w0.305: v1(34.544,71.272) 35.331,72.06 35.331,90.424 35.585,90.678 v3(35.814,90.678) ; v1(85.166,91.897) 87.909,94.64 87.909,100.609 v1(93.828,106.528) ; v1(113.513,64.948) 113.513,65.969 ; v1(113.513,87.198) 113.513,65.969 ; v1(115.57,63.911) 113.513,65.969 ; v1(164.744,75.209) 166.116,73.838 166.116,65.32 v1(168.038,63.398) ; v1(168.038,74.835) 168.656,75.453 168.656,82.059 v1(168.038,82.677)
  Bottom Layer w0.254: TO4.9@160.418,84.74 160.418,84.785 160.418,86.995 159.715,87.698 159.715,92.862 160.418,93.565 TO5.9@160.418,96.424
  Bottom Layer w0.508: v1(132.563,83.261) 135.966,86.665 153.543,86.665 155.423,84.785 TO4.9@160.418,84.785 ; TO1.9@160.418,50.704 160.418,49.784 160.977,49.225 163.38,49.225 165.278,47.327 165.278,46.482 165.583,46.177 166.792,46.177 168.038,47.423 TO1.15@168.038,50.704 168.038,51.638 168.732,52.332 168.732,52.938 170.536,54.741 170.536,57.81 168.22,60.126 ; TO2.9@160.418,62.134 160.418,60.791 161.9,59.309 167.403,59.309 168.22,60.126 ; TO3.9@160.418,73.564 160.418,75.201 161.036,75.819 162.255,75.819 162.865,75.209 v1(164.744,75.209) ; 160.418,86.995 161.544,88.595 163.322,88.595 164.998,86.919 167.479,86.919 168.038,86.36 168.038,86.011 ; TO6.9@160.418,107.854 160.418,109.542 161.544,110.668 166.548,110.668 ; v1(168.038,63.398) TO2.15@168.038,62.134 ; TO3.15@168.038,73.564 v1(168.038,74.835) ; v1(168.038,82.677) TO4.15@168.038,84.74 168.038,86.011 ; v1(168.038,94.259) TO5.15@168.038,96.424 ; TO6.15@168.038,107.854 v1@168.038,109.118 ; v1(168.046,109.118) v1@168.038,109.118 ; 166.548,110.668 168.605,110.668 169.85,109.423 173.736,109.423 174.777,108.382 174.777,104.927 172.644,102.794 172.644,88.316 170.527,86.199 168.226,86.199 168.038,86.011 ; 166.548,110.668 168.038,109.178 v1@168.038,109.118 ; TO2.15@168.038,62.134 168.22,60.126 ; TO2.15@168.038,62.134 168.038,60.308 168.22,60.126